# Altium PCB ZYNQ_JTY_16CH.PcbDoc (part 5 of 5)
Units mm, origin at the board's own origin, x right, y up, seen from the top; angles counter-clockwise.
Board outline 164 x 124.5 mm, 4 copper layers (Top1, GND2, PWR3, Bottom4), stack 0.568 mm thick; 525 components, 438 nets, 2202 pads, 1379 vias.
Unrouted connection lines stored in the file: 13.
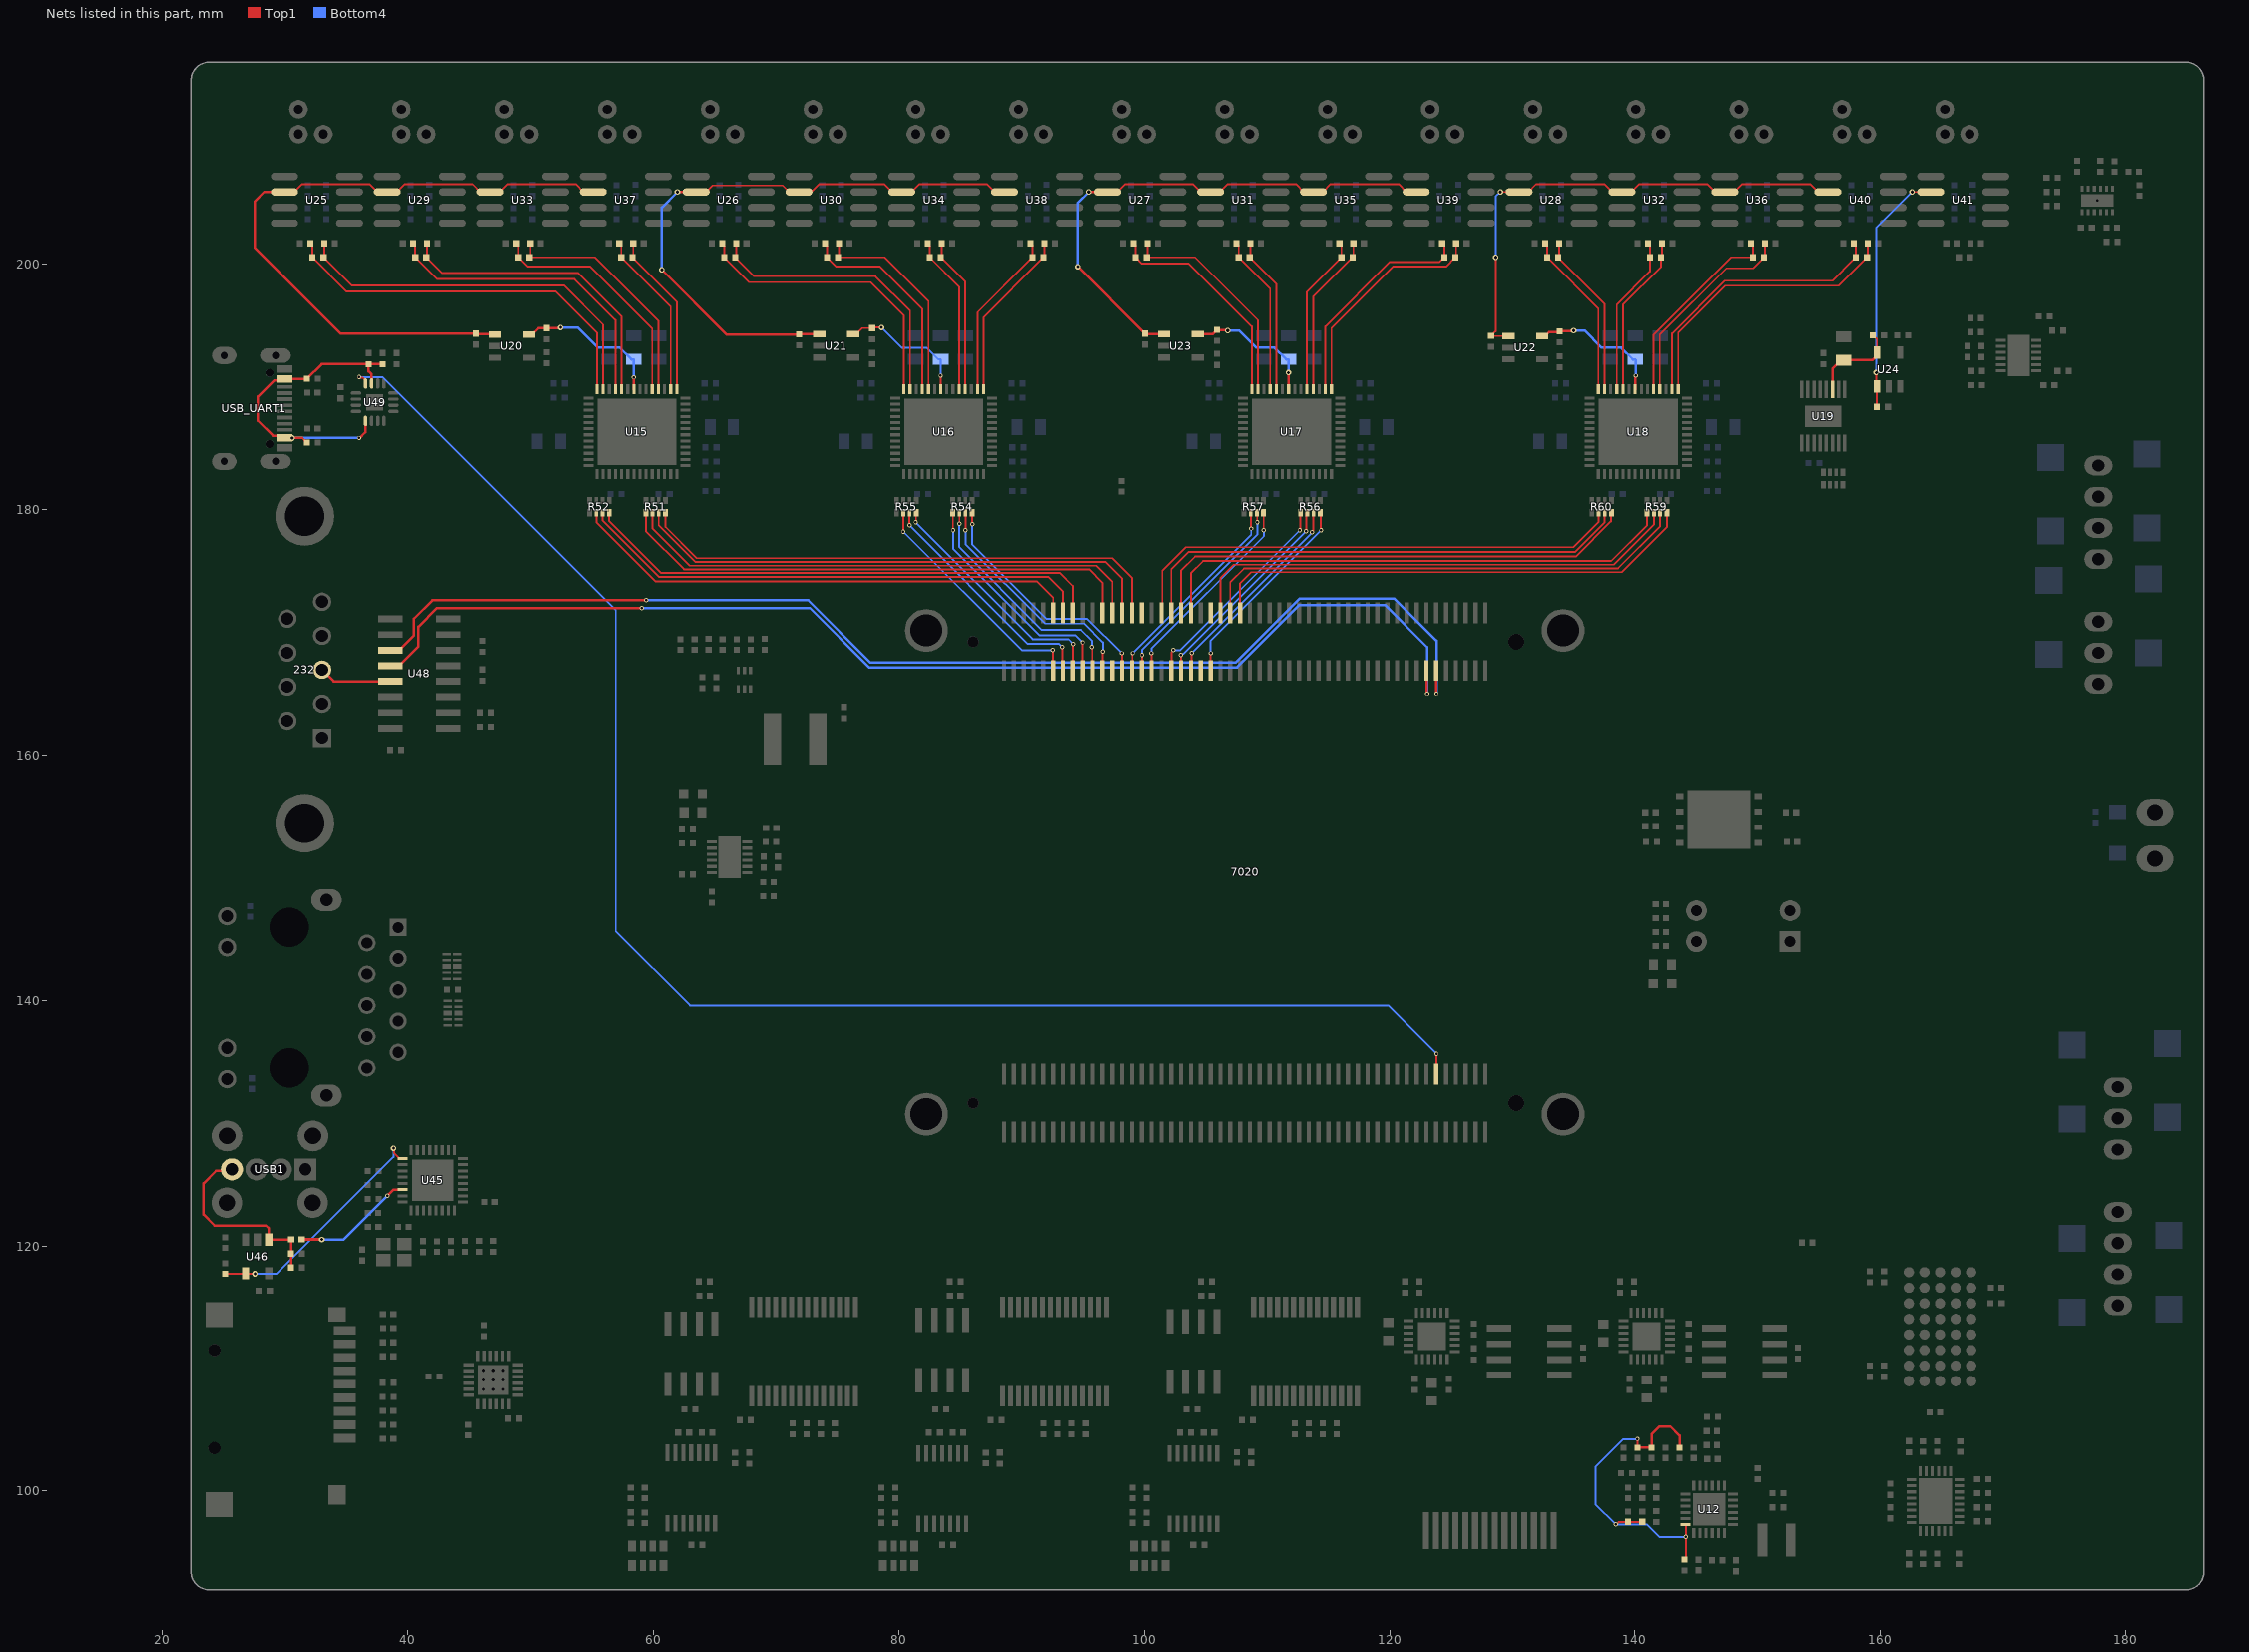
[diagram p7: the nets of this part, all layers, seen from the top]

## Via types
v1: diameter 0.457, hole 0.254, Top1 to Bottom4, tented both sides, 707 vias
v2: diameter 0.356, hole 0.203, Top1 to Bottom4, tented both sides, 314 vias
v3: diameter 0.559, hole 0.305, Top1 to Bottom4, tented both sides, 261 vias
v4: diameter 0.508, hole 0.279, Top1 to Bottom4, tented both sides, 40 vias
v5: diameter 0.66, hole 0.356, Top1 to Bottom4, tented both sides, 18 vias
v6: diameter 0.711, hole 0.381, Top1 to Bottom4, tented both sides, 14 vias
v7: diameter 0.61, hole 0.305, Top1 to Bottom4, tented both sides, 12 vias
v8: diameter 0.61, hole 0.254, Top1 to Bottom4, tented both sides, 9 vias
v9: diameter 0.508, hole 0.305, Top1 to Bottom4, tented both sides, 4 vias

## Nets (pads, with @x,y where several pads share a name; then routed paths per layer and width w, separated by ;. In a path a pad name is that pad's centre, name@x,y a point inside that pad or via, vN(x,y) a via of type N, cw(c..) or ccw(c..) an arc to the next point about the centre after c; other vN are vias at no path point) (continued)
TEC_REF: C41.2 R31.1 R36.1 R39.1 R43.2 R46.2 U12.6 | length 27.8
  Top1 w0.152: v2(138.43,97.282) 138.485,97.282 138.675,97.472 139.427,97.472 R43.2@139.446,97.492 R46.2@140.589,97.492 ; R39.1@140.208,103.549 v2(140.208,104.267) ; C41.2@144.018,94.427 144.145,94.554 v2(144.145,96.266) 144.145,97.214 U12.6@144.095,97.264
  Top1 w0.203: R39.1@140.208,103.549 R31.1@141.351,103.549 141.351,104.648 141.986,105.283 142.875,105.283 143.637,104.521 R36.1@143.637,103.549
  Bottom4 w0.152: v2(140.208,104.267) 140.183,104.242 139.04,104.242 136.779,101.981 136.779,98.933 v2(138.43,97.282) 140.97,97.282 141.986,96.266 v2(144.145,96.266)
TXD: 7020.J2_89 U49.4 | length 128.4
  Top1 w0.152: v2(36.068,190.763) 36.107,190.724 36.356,190.724 36.584,190.496 U49.4@36.584,190.246 ; 7020.J2_89@123.812,133.985 123.819,133.991 123.819,135.63 v2(123.825,135.636)
  Bottom4 w0.152: v2(36.068,190.763) 37.964,190.763 56.947,171.78 56.947,145.618 62.992,139.573 119.888,139.573 v2(123.825,135.636)
TXD_232: 232.3 U48.13 | length 6
  Top1 w0.203: 232.3@33.043,166.932 33.986,165.989 U48.13@38.608,165.989
UART2_RX: 7020.J1_88 U48.12 | length 98.6
  Top1 w0.203: U48.12@38.608,167.259 39.319,167.259 40.894,168.834 40.894,170.434 42.418,171.958 v2(59.055,171.958) ; 7020.J1_88@123.011,166.869 123.011,165.066 123.063,165.014 v2(123.063,164.973)
  Bottom4 w0.203: v2(59.055,171.958) 72.771,171.958 77.597,167.132 107.564,167.132 112.644,172.212 119.634,172.212 123.063,168.783 v2(123.063,164.973)
UART2_TX: 7020.J1_90 U48.11 | length 99.6
  Top1 w0.203: U48.11@38.608,168.529 39.319,168.529 40.538,169.748 40.538,171.094 42.037,172.593 v2(59.436,172.593) ; 7020.J1_90@123.811,166.869 123.818,166.862 123.818,164.98 v2(123.825,164.973)
  Bottom4 w0.203: v2(59.436,172.593) 72.644,172.593 77.724,167.513 107.442,167.513 112.649,172.72 120.396,172.72 123.825,169.291 v2(123.825,164.973)
USB_5V: C240.2 C241.2 R144.1 U46.1 USB1.4 | length 16.1
  Top1 w0.203: USB1.4@25.686,126.238 25.559,126.111 24.384,126.111 23.368,125.095 23.368,122.555 24.257,121.666 28.448,121.666 28.702,121.412 U46.1@28.702,120.523 R144.1@30.519,120.523 30.505,120.509 30.505,118.251 C241.2@30.491,118.237
USB_VBUS: R144.2 U45.22 | length 9.9
  Top1 w0.203: v2(38.354,124.079) 38.862,124.587 U45.22@39.624,124.587
  Top1 w0.254: R144.2@31.369,120.523 v1(33.02,120.523)
  Bottom4 w0.203: v1(33.02,120.523) 34.798,120.523 v2(38.354,124.079)
VREF1V65_9: C126.2 U24.1 U41.2 | length 20.3
  Top1 w0.152: v1(159.639,191.135) 159.639,190.077 U24.1@159.705,190.011 159.697,190.003 C126.2@159.697,188.341 ; v1(162.56,205.867) U41.2@164.084,205.867
  Bottom4 w0.152: v1(159.639,191.135) 159.639,202.946 161.544,204.851 v1(162.56,205.867)
VREF1V65_W: C122.2 U22.1 U28.2 U32.2 U36.2 U40.2 | length 41.7
  Top1 w0.152: v1(128.651,200.533) 128.651,194.506 C122.2@128.27,194.125 128.278,194.117 U22.1@129.686,194.117 ; v1(129.032,205.867) U28.2@130.556,205.867 131.318,205.867 131.953,206.502 137.503,206.502 138.138,205.867 U32.2@138.938,205.867 139.7,205.867 140.335,206.502 145.885,206.502 146.52,205.867 U36.2@147.32,205.867 148.082,205.867 148.717,206.502 154.267,206.502 154.902,205.867 U40.2@155.702,205.867
  Bottom4 w0.152: v1(128.651,200.533) 128.651,205.486 v1(129.032,205.867)
VREF1V65_X: C95.2 U20.1 U25.2 U29.2 U33.2 U37.2 | length 55.8
  Top1 w0.152: U25.2@29.972,205.867 30.772,205.867 31.407,206.502 36.919,206.502 37.554,205.867 U29.2@38.354,205.867 39.154,205.867 39.789,206.502 45.301,206.502 45.936,205.867 U33.2@46.736,205.867 47.536,205.867 48.171,206.502 53.683,206.502 54.318,205.867 U37.2@55.118,205.867
  Top1 w0.203: U25.2@29.972,205.867 28.321,205.867 27.559,205.105 27.559,201.295 34.533,194.321 C95.2@45.593,194.321 45.631,194.282 47.098,194.282 U20.1@47.136,194.244
VREF1V65_Y: C117.2 U21.1 U26.2 U30.2 U34.2 U38.2 | length 50.1
  Top1 w0.152: U26.2@63.5,205.867 64.3,205.867 64.829,206.396 70.553,206.396 71.082,205.867 U30.2@71.882,205.867 71.968,205.953 72.984,205.953 73.533,206.502 78.829,206.502 79.464,205.867 U34.2@80.264,205.867 81.064,205.867 81.699,206.502 87.211,206.502 87.846,205.867 U38.2@88.646,205.867
  Top1 w0.203: v1(60.706,199.517) 65.971,194.252 C117.2@71.882,194.252 71.891,194.261 73.543,194.261 U21.1@73.552,194.269 ; v1(61.976,205.867) U26.2@63.5,205.867
  Bottom4 w0.203: v1(60.706,199.517) 60.706,204.597 v1(61.976,205.867)
VREF1V65_Z: C119.2 U23.1 U27.2 U31.2 U35.2 U39.2 | length 44
  Top1 w0.152: U27.2@97.028,205.867 97.828,205.867 98.463,206.502 103.975,206.502 104.61,205.867 U31.2@105.41,205.867 106.172,205.867 106.807,206.502 112.357,206.502 112.992,205.867 U35.2@113.792,205.867 114.554,205.867 115.189,206.502 120.739,206.502 121.374,205.867 U39.2@122.174,205.867
  Top1 w0.203: v1(94.615,199.771) 99.917,194.469 99.928,194.469 C119.2@100.076,194.321 ; v1(95.504,205.867) U27.2@97.028,205.867 ; C119.2@100.102,194.295 101.593,194.295 U23.1@101.619,194.269
  Bottom4 w0.203: v1(94.615,199.771) 94.615,204.978 v1(95.504,205.867)
VREF3V3_9: C57.1 C125.2 U19.3 U24.5 | length 7.6
  Top1 w0.152: C125.2@159.374,194.183 159.705,193.852 U24.5@159.705,192.767
  Top1 w0.203: U19.3@156.071,189.763 156.071,191.441 156.781,192.151 C57.1@156.972,192.151 159.337,192.151 159.705,192.519 U24.5@159.705,192.767
VREF3V3_W: C121.2 C129.2 U18.8 U22.5 | length 11.2
  Top1 w0.203: U22.5@132.442,194.117 132.69,194.117 133.01,194.437 133.789,194.437 C121.2@133.858,194.506 134.902,194.506 134.96,194.564 v1(135.001,194.564) ; U18.8@140.019,189.763 140.019,190.778 140.081,190.84 v2(140.081,190.881)
  Bottom4 w0.203: v1(135.001,194.564) 135.89,194.564 137.287,193.167 138.875,193.167 139.825,192.217 C129.2@140.015,192.217 140.081,192.151 v2(140.081,190.881)
VREF3V3_X: C56.2 C94.2 U15.8 U20.5 | length 12.3
  Top1 w0.203: U20.5@49.892,194.244 50.14,194.244 50.656,194.76 C94.2@51.308,194.76 52.352,194.76 52.41,194.818 v1(52.451,194.818) ; v2(58.42,190.754) 58.422,190.752 58.422,189.765 U15.8@58.424,189.763
  Bottom4 w0.203: v1(52.451,194.818) 53.848,194.818 55.499,193.167 57.28,193.167 58.23,192.217 C56.2@58.42,192.217 v2(58.42,190.754)
VREF3V3_Y: C64.2 C116.2 U16.8 U21.5 | length 10.9
  Top1 w0.152: U21.5@76.308,194.269 76.556,194.269 77.046,194.76 C116.2@77.851,194.76 77.909,194.818 v1(78.613,194.818) ; v2(83.439,190.881) 83.441,190.879 83.441,189.765 U16.8@83.443,189.763
  Bottom4 w0.152: v1(78.613,194.818) 80.264,193.167 82.299,193.167 83.249,192.217 C64.2@83.439,192.217 v2(83.439,190.881)
VREF3V3_Z: C93.2 C118.2 U17.8 U23.5 | length 11
  Top1 w0.203: U23.5@104.375,194.269 105.554,194.269 C118.2@105.918,194.633 105.952,194.598 106.773,194.598 v1(106.807,194.564) ; v1(111.76,191.135) 111.762,191.133 111.762,189.765 U17.8@111.764,189.763
  Bottom4 w0.203: v1(106.807,194.564) 107.73,194.564 109.127,193.167 110.62,193.167 111.57,192.217 C93.2@111.76,192.217 v1(111.76,191.135)
VUSB: C243.1 C244.1 C255.1 C256.1 U49.3 U49.9 USB_UART1.2 USB_UART1.11 | length 26.8
  Top1 w0.203: v1(30.607,185.801) USB_UART1.11@30.594,185.814 ; C256.1@31.808,185.42 31.414,185.814 USB_UART1.11@30.594,185.814 ; v2(36.068,185.801) 36.109,185.801 36.58,186.272 36.58,187.19 U49.9@36.584,187.194 ; U49.3@37.084,190.246 37.084,190.989 36.83,191.243 C244.1@36.83,191.828 ; C243.1@37.973,191.828 C244.1@36.83,191.828 ; USB_UART1.11@30.594,185.814 USB_UART1.11@29.98,185.814 29.809,185.985 29.026,185.985 27.813,187.198 27.813,189.18 29.145,190.512 29.878,190.512 29.987,190.621 31.801,190.621 C255.1@31.808,190.627 33.009,191.828 C244.1@36.83,191.828
  Bottom4 w0.203: v1(30.607,185.801) v2(36.068,185.801)
VUSB_V_EN: R146.1 U45.17 U46.4 | length 19.7
  Top1 w0.152: R146.1@25.146,117.729 26.758,117.729 U46.4@26.802,117.773 26.846,117.729 v1(27.559,117.729) ; v1(38.862,127.964) 38.92,127.905 38.92,127.551 39.345,127.127 U45.17@39.624,127.127
  Bottom4 w0.152: v1(27.559,117.729) 29.337,117.729 38.862,127.254 v1(38.862,127.964)
W1+: C137.2 R68.2 U18.14 | length 13.7
  Top1 w0.152: R68.2@132.676,201.676 132.842,201.51 C137.2@132.842,200.533 133.016,200.359 137.019,196.356 U18.14@137.019,189.763
W1-: C137.1 R72.2 U18.13 | length 13.5
  Top1 w0.152: R72.2@133.814,201.676 133.814,200.605 C137.1@133.742,200.533 137.519,196.756 U18.13@137.519,189.763
W2+: C153.2 R80.2 U18.11 | length 13.1
  Top1 w0.152: U18.11@138.519,189.763 138.519,196.685 141.224,199.39 C153.2@141.224,200.533 141.224,201.51 R80.2@141.058,201.676
W2-: C153.1 R84.2 U18.10 | length 13.2
  Top1 w0.152: U18.10@139.019,189.763 139.019,196.677 142.124,199.782 C153.1@142.124,200.533 142.196,200.605 R84.2@142.196,201.676
W3+: C169.2 R92.2 U18.5 | length 16.4
  Top1 w0.152: U18.5@141.519,189.763 141.519,194.224 147.828,200.533 C169.2@149.606,200.533 149.606,201.51 R92.2@149.44,201.676
W3-: C169.1 R96.2 U18.4 | length 16.7
  Top1 w0.152: U18.4@142.019,189.763 142.019,194.216 147.447,199.644 149.617,199.644 C169.1@150.506,200.533 150.578,200.605 R96.2@150.578,201.676
W4+: C185.2 R104.2 U18.2 | length 23.3
  Top1 w0.152: U18.2@143.019,189.763 143.019,194.327 147.32,198.628 156.083,198.628 157.814,200.359 C185.2@157.988,200.533 157.988,201.51 R104.2@157.822,201.676
W4-: C185.1 R108.2 U18.1 | length 23.7
  Top1 w0.152: U18.1@143.519,189.763 143.519,194.396 147.345,198.222 156.577,198.222 C185.1@158.888,200.533 158.96,200.605 R108.2@158.96,201.676
W_CLKOUT: 7020.J1_39 R59.5 | length 43
  Top1 w0.152: 7020.J1_39@103.81,171.569 103.81,174.803 104.8,175.793 138.074,175.793 140.993,178.712 R59.5@140.993,179.713
W_CLKOUTEN: 7020.J1_43
W_CNV: 7020.J1_33 R60.6 | length 41.4
  Top1 w0.152: 7020.J1_33@101.41,171.569 101.473,171.632 101.473,175.006 103.378,176.911 135.001,176.911 137.033,178.943 137.033,179.709 R60.6@137.037,179.713
W_SCK: 7020.J1_49 R59.8 | length 40.3
  Top1 w0.152: 7020.J1_49@107.81,171.569 107.81,173.977 108.712,174.879 138.938,174.879 142.593,178.534 R59.8@142.593,179.713
W_SDO1: 7020.J1_35 R60.7 | length 41.2
  Top1 w0.152: 7020.J1_35@102.21,171.569 102.21,175.108 103.632,176.53 135.128,176.53 137.537,178.939 R60.7@137.537,179.713
W_SDO2: 7020.J1_37 R60.8 | length 40.7
  Top1 w0.152: 7020.J1_37@103.01,171.569 102.997,171.582 102.997,175.006 104.14,176.149 135.178,176.149 138.049,179.02 R60.8@138.049,179.577
W_SDO3: 7020.J1_45 R59.6 | length 40.9
  Top1 w0.152: 7020.J1_45@106.21,171.569 106.21,174.409 107.29,175.489 138.278,175.489 141.543,178.754 R59.6@141.543,179.713
W_SDO4: 7020.J1_47 R59.7 | length 40.5
  Top1 w0.152: 7020.J1_47@107.01,171.569 107.01,174.066 108.128,175.184 138.608,175.184 142.043,178.619 R59.7@142.043,179.713
X1+: C134.2 R65.2 U15.14 | length 31.5
  Top1 w0.152: R65.2@32.092,201.676 32.258,201.51 C134.2@32.258,200.533 35.052,197.739 52.07,197.739 55.424,194.385 U15.14@55.424,189.763
X1-: C134.1 R69.2 U15.13 | length 31.5
  Top1 w0.152: R69.2@33.23,201.676 33.23,200.605 C134.1@33.158,200.533 35.444,198.247 52.705,198.247 55.924,195.028 U15.13@55.924,189.763
X2+: C150.2 R77.2 U15.11 | length 25.3
  Top1 w0.152: R77.2@40.474,201.676 40.64,201.51 C150.2@40.64,200.533 42.418,198.755 53.594,198.755 56.924,195.425 U15.11@56.924,189.763
X2-: C150.1 R81.2 U15.10 | length 24.9
  Top1 w0.152: C150.1@41.54,200.533 42.81,199.263 53.848,199.263 57.424,195.687 U15.10@57.424,189.763 ; C150.1@41.612,200.605 R81.2@41.612,201.676
X3+: C166.2 R89.2 U15.5 | length 19.5
  Top1 w0.152: R89.2@48.856,201.676 49.022,201.51 C166.2@49.022,200.533 49.784,199.771 54.864,199.771 59.924,194.711 U15.5@59.924,189.763
X3-: C166.1 R93.2 U15.4 | length 19.3
  Top1 w0.152: C166.1@49.922,200.533 55.245,200.533 60.424,195.354 U15.4@60.424,189.763 ; C166.1@49.994,200.605 R93.2@49.994,201.676
X4+: C182.2 R101.2 U15.2 | length 13.6
  Top1 w0.152: R101.2@57.238,201.676 57.404,201.51 C182.2@57.404,200.533 61.424,196.513 U15.2@61.424,189.763
X4-: C182.1 R105.2 U15.1 | length 13.4
  Top1 w0.152: R105.2@58.376,201.676 58.376,200.605 C182.1@58.304,200.533 61.924,196.913 U15.1@61.924,189.763
X_CLKOUT: 7020.J1_21 R51.5 | length 42.9
  Top1 w0.152: R51.5@59.398,179.713 59.398,178.219 62.509,175.108 95.529,175.108 96.61,174.027 7020.J1_21@96.61,171.569
X_CLKOUTEN: 7020.J1_29
X_CNV: 7020.J1_11 R52.6 | length 41.8
  Top1 w0.152: R52.6@55.376,179.713 55.372,179.709 55.372,178.943 60.198,174.117 91.313,174.117 92.61,172.82 7020.J1_11@92.61,171.569
X_SCK: 7020.J1_27 R51.8 | length 43.7
  Top1 w0.152: R51.8@60.998,179.713 60.998,178.574 63.55,176.022 97.409,176.022 99.01,174.421 7020.J1_27@99.01,171.569
X_SDO1: 7020.J1_13 R52.7 | length 42.3
  Top1 w0.152: R52.7@55.876,179.713 55.88,179.709 55.88,179.07 60.452,174.498 92.202,174.498 93.41,173.29 7020.J1_13@93.41,171.569
X_SDO2: 7020.J1_15 R52.8 | length 42.9
  Top1 w0.152: R52.8@56.426,179.713 56.388,179.675 56.388,179.07 60.655,174.803 93.167,174.803 94.21,173.76 7020.J1_15@94.21,171.569
X_SDO3: 7020.J1_23 R51.6 | length 43.1
  Top1 w0.152: R51.6@59.948,179.713 59.948,178.431 62.967,175.412 96.114,175.412 97.41,174.116 7020.J1_23@97.41,171.569
X_SDO4: 7020.J1_25 R51.7 | length 43.4
  Top1 w0.152: R51.7@60.448,179.713 60.448,178.693 63.424,175.717 96.825,175.717 98.21,174.332 7020.J1_25@98.21,171.569
Y1+: C135.2 R66.2 U16.14 | length 23.9
  Top1 w0.152: R66.2@65.62,201.676 65.786,201.51 C135.2@65.786,200.533 67.818,198.501 77.724,198.501 80.443,195.782 U16.14@80.443,189.763
Y1-: C135.1 R70.2 U16.13 | length 23.5
  Top1 w0.152: C135.1@66.686,200.533 68.21,199.009 78.105,199.009 80.943,196.171 U16.13@80.943,189.763 ; C135.1@66.758,200.605 R70.2@66.758,201.676
Y2+: C151.2 R78.2 U16.11 | length 17.3
  Top1 w0.152: R78.2@74.002,201.676 74.168,201.51 C151.2@74.168,200.533 74.93,199.771 78.486,199.771 81.943,196.314 U16.11@81.943,189.763
Y2-: C151.1 R82.2 U16.10 | length 17.1
  Top1 w0.152: C151.1@75.068,200.533 75.14,200.533 78.867,200.533 82.443,196.957 U16.10@82.443,189.763 ; C151.1@75.14,200.605 R82.2@75.14,201.676
Y3+: C167.2 R90.2 U16.5 | length 13
  Top1 w0.152: R90.2@82.384,201.676 82.55,201.51 C167.2@82.55,200.533 84.943,198.14 U16.5@84.943,189.763
Y3-: C167.1 R94.2 U16.4 | length 12.7
  Top1 w0.152: C167.1@83.45,200.533 85.443,198.54 U16.4@85.443,189.763 ; C167.1@83.522,200.605 R94.2@83.522,201.676
Y4+: C183.2 R102.2 U16.2 | length 13.8
  Top1 w0.152: U16.2@86.443,189.763 86.443,196.044 90.758,200.359 C183.2@90.932,200.533 90.932,201.51 R102.2@90.766,201.676
Y4-: C183.1 R106.2 U16.1 | length 14
  Top1 w0.152: U16.1@86.943,189.763 86.943,195.655 91.647,200.359 91.658,200.359 C183.1@91.832,200.533 91.904,200.605 R106.2@91.904,201.676
Y_CLKOUT: 7020.J1_18 R54.5 | length 18.9
  Top1 w0.152: R54.5@84.417,179.713 84.436,179.694 84.436,178.327 v2(84.455,178.308) ; v2(94.996,169.164) 95.003,169.157 95.003,166.876 7020.J1_18@95.01,166.869
  Bottom4 w0.152: v2(84.455,178.308) 84.455,176.784 91.516,169.723 94.437,169.723 v2(94.996,169.164)
Y_CLKOUTEN: 7020.J1_24
Y_CNV: 7020.J1_12 R55.6 | length 19.4
  Top1 w0.152: R55.6@80.395,179.713 80.394,179.712 v2(80.393,178.183) ; v2(92.583,168.529) 92.597,168.515 92.597,166.883 7020.J1_12@92.61,166.869 ; v2(80.393,178.183) v2(80.393,178.183)
  Bottom4 w0.152: v2(80.393,178.183) 90.047,168.529 v2(92.583,168.529)
Y_SCK: 7020.J1_26 R54.8 | length 19.8
  Top1 w0.152: v2(86.018,178.792) R54.8@86.017,179.713 ; v2(98.171,168.275) 98.191,168.255 98.191,166.889 7020.J1_26@98.21,166.869
  Bottom4 w0.152: v2(86.018,178.792) 86.018,177.126 92.075,171.069 95.377,171.069 v2(98.171,168.275)
Y_SDO1: 7020.J1_14 R55.7 | length 19.5
  Top1 w0.152: v2(80.895,178.693) R55.7@80.895,179.713 ; v2(93.345,168.783) 93.378,168.75 93.378,166.902 7020.J1_14@93.41,166.869
  Bottom4 w0.152: v2(80.895,178.693) 90.551,169.037 93.091,169.037 v2(93.345,168.783)
Y_SDO2: 7020.J1_16 R55.8 | length 19.9
  Top1 w0.152: v2(81.407,178.943) 81.426,178.962 81.426,179.694 R55.8@81.445,179.713 ; 7020.J1_16@94.21,166.869 94.222,166.881 94.222,169.025 v2(94.234,169.037)
  Bottom4 w0.152: v2(81.407,178.943) 90.932,169.418 93.853,169.418 v2(94.234,169.037)
Y_SDO3: 7020.J1_20 R54.6 | length 19.2
  Top1 w0.152: v2(84.963,178.816) 84.965,178.818 84.965,179.711 R54.6@84.967,179.713 ; v2(95.758,168.783) 95.784,168.757 95.784,166.895 7020.J1_20@95.81,166.869
  Bottom4 w0.152: v2(84.963,178.816) 84.963,176.911 91.694,170.18 94.869,170.18 95.758,169.291 v2(95.758,168.783)
Y_SDO4: 7020.J1_22 R54.7 | length 19.3
  Top1 w0.152: R54.7@85.467,179.713 85.469,179.711 85.469,178.31 v2(85.471,178.308) ; 7020.J1_22@96.61,166.869 96.629,166.888 96.629,168.384 v2(96.647,168.402)
  Bottom4 w0.152: v2(85.471,178.308) 85.471,177.165 91.948,170.688 95.123,170.688 96.647,169.164 v2(96.647,168.402)
Z1+: C136.2 R67.2 U17.14 | length 18.1
  Top1 w0.152: R67.2@99.148,201.676 99.314,201.51 C136.2@99.314,200.533 99.822,200.025 103.632,200.025 108.764,194.893 U17.14@108.764,189.763
Z1-: C136.1 R71.2 U17.13 | length 17.9
  Top1 w0.152: R71.2@100.286,201.676 100.286,200.533 104.14,200.533 109.264,195.409 U17.13@109.264,189.763
Z2+: C152.2 R79.2 U17.11 | length 13
  Top1 w0.152: R79.2@107.53,201.676 107.696,201.51 C152.2@107.696,200.533 110.264,197.965 U17.11@110.264,189.763
Z2-: C152.1 R83.2 U17.10 | length 12.8
  Top1 w0.152: R83.2@108.668,201.676 108.668,200.605 C152.1@108.596,200.533 108.77,200.359 110.764,198.365 U17.10@110.764,189.763
Z3+: C168.2 R91.2 U17.5 | length 13.1
  Top1 w0.152: U17.5@113.264,189.763 113.264,197.719 C168.2@116.078,200.533 116.078,201.51 R91.2@115.912,201.676
Z3-: C168.1 R95.2 U17.4 | length 13.3
  Top1 w0.152: U17.4@113.764,189.763 113.764,197.319 C168.1@116.978,200.533 117.05,200.605 R95.2@117.05,201.676
Z4+: C184.2 R103.2 U17.2 | length 18.4
  Top1 w0.152: U17.2@114.764,189.763 114.764,194.901 120.015,200.152 124.079,200.152 C184.2@124.46,200.533 124.46,201.51 R103.2@124.294,201.676
Z4-: C184.1 R107.2 U17.1 | length 18.7
  Top1 w0.152: U17.1@115.264,189.763 115.264,194.766 120.269,199.771 124.598,199.771 C184.1@125.36,200.533 125.432,200.605 R107.2@125.432,201.676
Z_CLKOUT: 7020.J1_36 R56.5 | length 17.5
  Top1 w0.152: 7020.J1_36@102.21,166.869 102.223,166.882 102.223,168.335 102.362,168.474 v2(102.362,168.529) ; v2(112.676,178.281) 112.709,178.314 112.709,179.684 R56.5@112.738,179.713
  Bottom4 w0.152: v2(102.362,168.529) 102.93,168.529 112.676,178.275 v2(112.676,178.281)
Z_CLKOUTEN: 7020.J1_42
Z_CNV: 7020.J1_28 R57.6 | length 16.9
  Top1 w0.152: 7020.J1_28@99.01,166.869 99.035,166.894 99.035,168.25 v2(99.06,168.275) ; R57.6@108.678,179.705 108.695,179.688 108.695,178.452 v2(108.712,178.435)
  Bottom4 w0.152: v2(99.06,168.275) 108.712,177.927 v2(108.712,178.435)
Z_SCK: 7020.J1_44 R56.8 | length 16.6
  Top1 w0.152: 7020.J1_44@105.41,166.869 v2(105.41,168.275) ; R56.8@114.338,179.713 114.388,179.663 114.388,178.347 v2(114.427,178.308)
  Bottom4 w0.152: v2(105.41,168.275) 105.41,169.291 v2(114.427,178.308)
Z_SDO1: 7020.J1_30 R57.7 | length 16.8
  Top1 w0.152: 7020.J1_30@99.81,166.869 99.818,166.877 99.818,168.121 v2(99.826,168.129) ; R57.7@109.178,179.705 109.199,179.684 109.199,178.964 v2(109.22,178.943)
  Bottom4 w0.152: v2(99.826,168.129) 99.828,168.131 99.828,168.535 109.22,177.927 v2(109.22,178.943)
Z_SDO2: 7020.J1_32 R57.8 | length 16.7
  Top1 w0.152: v2(100.584,168.275) 100.597,168.262 100.597,166.882 7020.J1_32@100.61,166.869 ; v2(109.728,178.308) R57.8@109.728,179.705
  Bottom4 w0.152: v2(100.584,168.275) 100.609,168.3 100.609,168.681 109.753,177.825 109.753,178.283 v2(109.728,178.308)
Z_SDO3: 7020.J1_38 R56.6 | length 17.2
  Top1 w0.152: v2(102.997,168.123) 103.003,168.116 103.003,166.876 7020.J1_38@103.01,166.869 ; v2(113.183,178.214) 113.222,178.252 113.222,179.647 R56.6@113.288,179.713
  Bottom4 w0.152: v2(102.997,168.123) 103.052,168.123 103.139,168.21 103.18,168.21 v2(113.183,178.214)
Z_SDO4: 7020.J1_40 R56.7 | length 17
  Top1 w0.152: 7020.J1_40@103.81,166.869 103.845,166.905 103.845,168.245 v2(103.881,168.28) ; v2(113.69,178.146) 113.69,178.201 113.792,178.303 113.792,179.709 R56.7@113.788,179.713
  Bottom4 w0.152: v2(103.881,168.28) 113.651,178.05 113.651,178.107 v2(113.69,178.146)
pads on no net: 232.1 232.4 232.6 232.7 232.8 232.9 232.M1 232.M2 7020. 7020.0 7020.J1_9 7020.J1_10 7020.J1_17 7020.J1_31 7020.J1_51 7020.J1_53 7020.J1_54 7020.J1_55 7020.J1_56 7020.J1_57 7020.J1_58 7020.J1_60 7020.J1_62 7020.J1_64 7020.J1_66 7020.J1_68 7020.J1_72 7020.J1_75 7020.J1_81 7020.J1_82 7020.J1_83 7020.J1_84 7020.J1_85 7020.J1_87 7020.J1_89 7020.J1_91 7020.J1_92 7020.J2_83 7020.J2_85 7020.J2_92 7020.J2_93 7020.J2_94 7020.J2_95 7020.J2_97 7020.J2_98 7020.J2_99 7020.J2_100 GE_PS1.17 GE_PS1.18 R52.4 R52.5 R53.4 R53.5 R55.4 R55.5 R57.4 R57.5 R60.4 R60.5 S7500.4 S7500.6 S7500.7 S7500.8 U3.1 U3.3 U3.5 U3.7 U3.8 U5.1 U5.3 U5.5 U5.7 U5.8 U8.1 U8.3 U8.5 U8.7 U8.8 U10.6 U10.13 U10.17 U11.1 U11.3 U11.5 U11.7 U11.8 U12.9 U12.11 U12.20 U13.6 U13.13 U13.17 U14.1 U14.3 U14.5 U14.7 U14.8 U15.16 U15.17 U15.19 U15.20 U15.28 U15.30 U15.36 U15.40 U15.42 U15.47 U15.48 U15.50 U15.51 U16.16 U16.17 U16.19 U16.20 U16.28 U16.30 U16.36 U16.40 U16.42 U16.47 U16.48 U16.50 U16.51 U17.16 U17.17 U17.19 U17.20 U17.28 U17.30 U17.36 U17.40 U17.42 U17.47 U17.48 U17.50 U17.51 U18.16 U18.17 U18.19 U18.20 U18.28 U18.30 U18.36 U18.40 U18.42 U18.47 U18.48 U18.50 U18.51 U19.13 U19.15 U45.12 U45.15 U45.16 U48.7 U48.8 U48.9 U48.10 U49.10 U49.11 U49.12 U49.13 U49.14 U49.15 U49.16 U50.8 U50.10 U50.12 U50.13 U50.14 U50.15 USB1.G USB_UART1. USB_UART1.3 USB_UART1.9 V1.3 V1.5 V3.3 V3.5

## Polygon pours and split planes (outlines as drawn)
+3V3 on Top1 "+3V3_L01_P045" (solid, pour order 45): 65.151,152.654 65.151,151.638 57.912,151.638 57.912,152.4 62.865,152.4 62.865,153.416 64.046,153.416 64.143,153.513 64.168,153.489 64.168,152.718 64.232,152.654
+D9 on Top1 "+D9_L01_P044" (solid, remove dead copper, pour order 44): 67.31,152.654 68.232,152.654 68.282,152.603 68.282,151.058 76.701,151.058 76.736,151.022 76.736,150.476 68.574,150.476 68.427,150.622 67.31,150.622
AGND2 on Top1 "AGND2_L01_P050" (solid, remove dead copper, pour order 50): 55.753,117.729 55.753,92.214 186.297,92.214 186.309,92.202 186.309,124.333 154.051,124.333 154.051,117.729
GND on Top1 "GND_L01_P049" (solid, remove dead copper, pour order 49): 43.307,196.596 43.307,181.991 154.051,181.991 159.639,176.403 186.309,176.403 186.309,124.333 154.051,124.333 154.051,117.729 55.753,117.729 55.753,91.821 22.479,91.821 22.352,91.948 22.352,196.596
AGND1 on Top1 "AGND1_L01_P043" (solid, remove dead copper, pour order 43): 43.307,196.596 43.307,181.991 154.051,181.991 159.639,176.403 186.309,176.403 186.309,216.535 22.352,216.535 22.352,196.596
+1.8V on Top1 "+1.8V_L01_P042" (solid, pour order 42): 65.278,151.13 62.738,151.13 62.738,147.193 65.532,147.193 65.532,148.336 64.135,148.336 64.135,150.622 65.278,150.622
+5V_S7500 on Top1 "+5V_S7500_L01_P037" (solid, pour order 37): 147.574,98.933 149.352,98.933 149.352,100.076 151.511,100.076 151.511,97.934 147.562,97.934 147.562,98.794 147.574,98.806
+D9 on Top1 "+D9_L01_P035" (solid, pour order 35): 61.595,165.862 67.183,165.862 67.183,160.655 61.595,160.655
-5V_S7500 on Top1 "-5V_S7500_L01_P034" (solid, pour order 34): 158.496,108.331 158.559,108.394 164.338,108.394 164.338,105.791 158.496,105.791
+3V3_S7500 on Top1 "+3V3_S7500_L01_P030" (solid, pour order 30): 160.02,98.298 163.068,98.298 163.068,97.282 161.925,97.282 161.925,94.488 163.957,94.488 163.957,93.472 160.02,93.472
+5V_S7500 on Top1 "+5V_S7500_L01_P029" (solid, pour order 29): 163.957,103.632 163.957,104.648 159.131,104.648 159.131,100.203 160.274,100.203 162.941,100.203 162.941,101.219 161.671,101.219 161.671,103.632
+A9_S7500 on Top1 "+A9_S7500_L01_P028" (solid, pour order 28): 167.132,101.092 167.132,103.632 165.989,103.632 165.989,104.648 168.275,104.648 168.275,101.092
+A9_S7500 on Top1 "+A9_S7500_L01_P027" (solid, pour order 27): 165.989,94.488 167.259,94.488 167.259,97.79 168.275,97.79 168.275,93.472 165.989,93.472
+A9_S7500 on Top1 "+A9_S7500_L01_P026" (solid, pour order 26): 165.989,100.584 167.132,100.584 167.132,101.6 168.275,101.6 168.275,97.028 167.259,97.028 167.259,97.79 165.989,97.79 165.989,98.679 166.878,98.679 166.878,99.695 165.989,99.695
+A9_S7500 on Top1 "+A9_S7500_L01_P025" (solid, pour order 25): 158.623,117.475 161.417,117.475 161.417,115.951 165.481,115.951 165.481,117.221 164.338,117.221 164.338,122.682 158.623,122.682
NetL3_2 on Top1 "NETL3_2_L01_P024" (solid, pour order 24): 151.511,98.044 151.511,94.361 149.479,94.361 149.479,97.409 147.447,97.409 147.447,98.044
-5V_S7500 on Top1 "-5V_S7500_L01_P023" (solid, pour order 23): 158.75,110.998 164.338,110.998 164.338,105.791 161.29,105.791 161.29,109.601 158.877,109.601 158.75,109.728
NetR45_1 on Top1 "NETR45_1_L01_P021" (solid, pour order 21): 140.462,111.252 141.478,111.252 141.478,108.331 140.462,108.331
NetR33_1 on Top1 "NETR33_1_L01_P020" (solid, pour order 20): 122.936,111.252 123.952,111.252 123.952,108.331 122.936,108.331
NetR15_2 on Top1 "NETR15_2_L01_P019" (solid, pour order 19): 99.822,97.79 101.473,97.79 101.473,98.171 102.362,98.171 102.362,94.869 98.679,94.869 98.679,96.52 99.822,96.52
NetR6_2 on Top1 "NETR6_2_L01_P018" (solid, remove dead copper, pour order 18): 81.28,98.044 81.28,97.79 79.248,97.79 79.248,96.266 77.978,96.266 77.978,94.869 81.788,94.869 81.788,98.044
NetR23_2 on Top1 "NETR23_2_L01_P017" (solid, remove dead copper, pour order 17): 61.341,98.171 60.452,98.171 60.452,97.79 58.674,97.79 58.674,96.901 57.531,96.901 57.531,94.869 61.341,94.869
+D2V5_PD on Top1 "+D2V5_PD_L01_P016" (solid, pour order 16): 172.339,193.04 174.371,193.04 174.371,195.072 175.895,195.072 175.895,196.342 173.355,196.342 173.355,193.548 172.339,193.548
+A3V3_PD on Top1 "+A3V3_PD_L01_P014" (solid, pour order 14): 172.212,192.532 175.006,192.532 175.006,188.214 172.72,188.214 172.72,189.484 173.863,189.484 173.863,191.516 172.212,191.516
+A5_PD on Top1 "+A5_PD_L01_P012" (solid, pour order 12): 170.307,193.802 170.307,191.516 168.91,191.516 168.91,192.913 163.957,192.913 163.957,193.802
+A4_PD on Top1 "+A4_PD_L01_P007" (solid, remove dead copper, pour order 7): 178.816,204.597 178.816,200.025 173.863,200.025 173.863,202.565 178.054,202.565 178.054,204.597
+A5_PD on Top1 "+A5_PD_L01_P006" (solid, pour order 6): 178.181,205.867 178.181,207.01 178.435,207.01 178.435,208.026 177.419,208.026 177.419,210.566 176.53,210.566 176.53,207.264 177.165,206.629 177.165,205.867
-A4_PD on Top1 "-A4_PD_L01_P005" (solid, pour order 5): 176.657,205.867 176.657,206.629 175.133,206.629 175.133,209.296 172.212,209.296 172.212,207.391 173.99,207.391 173.99,205.359 175.133,205.359 175.133,205.867
+5_7020 on Top1 "+5_7020_L01_P001" (solid, pour order 1): 88.265,172.974 91.44,172.974 91.44,158.877 72.263,158.877 72.263,163.322 73.406,163.322 88.265,163.322
NetC218_2 on Top1 "NETC218_2_L01_P002" (solid, remove dead copper, pour order 2): 67.691,165.735 67.691,164.973 67.945,164.719 72.009,164.719 72.009,158.877 67.183,158.877 67.183,165.735
AGND2 on Bottom4 "AGND2_L04_P048" (solid, remove dead copper, pour order 48): 55.88,117.729 55.88,92.329 55.753,92.202 186.182,92.202 186.182,124.079 186.309,124.206 154.051,124.206 154.114,124.269 154.242,124.269 154.178,124.206 154.178,117.729
GND on Bottom4 "GND_L04_P047" (solid, remove dead copper, pour order 47): 18 vertices, not listed, extent 22.618,92.075 186.309,196.596
AGND1 on Bottom4 "AGND1_L04_P046" (solid, remove dead copper, pour order 46): 159.512,176.403 155.321,180.594 43.18,180.594 43.18,196.596 22.352,196.596 22.352,216.408 22.479,216.535 186.055,216.535 186.182,216.662 186.182,176.403
+3V3 on PWR3 (split plane): 148 vertices, not listed, extent 23.371,92.966 66.927,196.34
+1.8V on PWR3 (split plane): 36 vertices, not listed, extent 40.261,92.966 66.927,151.128
+A5_PD on PWR3 (split plane): 153 vertices, not listed, extent 27.815,177.286 185.334,215.43
-A4_PD on PWR3 (split plane): 147 vertices, not listed, extent 27.815,203.075 175.385,209.675
AGND1 on PWR3 (split plane): 117 vertices, not listed, extent 23.371,196.598 175.385,215.43
+D2V5_PD on PWR3 (split plane): 43 vertices, not listed, extent 43.436,177.294 179.83,196.467
+A4_PD on PWR3 (split plane): 143 vertices, not listed, extent 27.815,199.9 180.211,205.103
+5V_S7500 on PWR3 (split plane): 24 vertices, not listed, extent 55.882,92.966 166.622,113.282
+D9 on PWR3 (split plane): 166.622,92.966 155.958,92.966 155.958,100.201 166.622,100.201
+A9_S7500 on PWR3 (split plane): 126 vertices, not listed, extent 154.18,92.966 185.334,124.331
-5V_S7500 on PWR3 (split plane): 17 vertices, not listed, extent 55.882,105.539 171.575,117.6
GND on PWR3 (split plane): 23 vertices, not listed, extent 55.882,117.858 175.258,160.78
+D9 on PWR3 (split plane): 25 vertices, not listed, extent 59.692,124.589 185.334,177.044
+A3V3_PD on PWR3 (split plane): 44 vertices, not listed, extent 43.436,183.898 176.02,194.816
GND on GND2 (split plane): 109 vertices, not listed, extent 22.863,92.459 185.842,196.34
GND on GND2 (split plane): 33 vertices, not listed, extent 22.863,92.459 24.659,94.254
AGND1 on GND2 (split plane): 34 vertices, not listed, extent 22.863,214.142 24.659,215.938
AGND2 on GND2 (split plane): 33 vertices, not listed, extent 184.046,92.459 185.842,94.254
AGND2 on GND2 (split plane): 90 vertices, not listed, extent 55.882,92.459 185.842,124.204
AGND1 on GND2 (split plane): 34 vertices, not listed, extent 184.046,214.142 185.842,215.938
AGND1 on GND2 (split plane): 165 vertices, not listed, extent 22.863,176.532 185.842,215.938

## Keep-outs
Keep-Out Layer:
  circle w0.013: c183.792,94.509 r1.55
  circle w0.013: c24.913,94.509 r1.55
  circle w0.013: c183.792,213.887 r1.55
  circle w0.013: c24.913,213.887 r1.55
  lines w0.013: 22.352,93.448 ccw(c23.852,93.448) 23.852,91.948 184.852,91.948 ccw(c184.852,93.448) 186.352,93.448 186.352,214.948 ccw(c184.852,214.948) 184.852,216.448 23.852,216.448 ccw(c23.852,214.948) 22.352,214.948 22.352,93.448

## Other copper
Top1:
  text "C" at 2199.943,661.841 h2.66
  text "2" at 2201.313,661.841 h2.66
  text "1" at 2202.41,661.841 h2.66
  text "5" at 2203.506,661.841 h2.66
  text "3" at 2199.943,659.374 h2.66
  text "." at 2201.039,659.374 h2.66
  text "3" at 2201.588,659.374 h2.66
  text "u" at 2202.684,659.374 h2.66
GND2 (plane layer: these items are gaps in the copper):
  lines w0.254: 22.352,196.469 43.307,196.469 43.307,181.991 149.987,181.991 154.051,181.991 159.639,176.403 186.055,176.403 ; 55.753,91.821 55.753,117.729 118.872,117.729 154.051,117.729 154.051,117.856 154.051,119.507 154.051,124.333 186.055,124.333
PWR3 (plane layer: these items are gaps in the copper):
  rectangle: 133.096,191.008 135.763,195.326
  rectangle: 137.033,183.388 143.256,189.103
  rectangle: 108.966,183.388 115.189,189.484
  rectangle: 80.772,183.134 86.868,189.357
  rectangle: 55.626,183.515 61.468,189.357
  lines w0.254: 22.733,196.469 27.686,196.469 ; 28.321,205.232 27.686,205.232 ; 43.18,92.583 43.307,92.71 43.307,106.553 50.292,106.553 ; 50.292,106.807 50.292,106.553 ; 55.753,92.329 55.753,105.41 55.753,106.807 ; 59.563,177.165 59.563,163.068 59.563,160.655 67.056,160.655 67.056,147.574 ; 67.056,151.257 46.482,151.257 46.482,133.985 46.482,131.064 40.132,131.064 40.132,116.078 40.132,114.808 40.259,114.681 50.292,114.681 50.292,106.553 ; 155.829,91.821 155.829,100.33 166.878,100.33 ; 165.608,92.71 166.751,92.71 166.751,105.41 ; 170.561,192.786 176.149,192.786 176.149,187.833 157.353,187.833 156.083,187.833 152.019,183.769 43.307,183.769 ; 171.45,177.165 173.228,177.165 185.293,177.165 ; 175.387,124.46 175.387,160.909 76.962,160.909 76.962,147.574 67.056,147.574 ; 175.514,202.946 175.514,209.804 175.26,209.804 170.942,209.804 170.688,209.804 168.783,207.899 27.686,207.899 27.686,205.232 ; 175.514,209.677 175.514,216.281 ; 185.801,124.46 175.641,124.46 154.051,124.46 154.051,117.729 ; 27.686,196.469 27.686,199.771 ; 27.686,196.469 43.307,196.469 43.307,191.008 ; 27.686,199.771 171.323,199.771 180.34,199.771 180.34,202.946 167.513,202.946 165.227,205.232 163.068,205.232 161.798,203.962 158.242,203.962 156.972,205.232 154.559,205.232 153.289,203.962 149.86,203.962 148.59,205.232 146.431,205.232 145.161,203.962 145.034,203.962 141.351,203.962 140.081,205.232 137.922,205.232 136.652,203.962 136.588,203.962 132.969,203.962 131.699,205.232 129.667,205.232 128.397,203.962 124.587,203.962 123.317,205.232 121.158,205.232 119.888,203.962 116.332,203.962 115.062,205.232 112.903,205.232 111.633,203.962 107.95,203.962 106.68,205.232 104.394,205.232 103.124,203.962 103.06,203.962 99.568,203.962 98.298,205.232 96.203,205.232 96.139,205.232 94.869,203.962 91.186,203.962 89.916,205.232 87.63,205.232 87.376,204.978 86.36,203.962 82.804,203.962 81.534,205.232 79.121,205.232 77.851,203.962 74.295,203.962 73.025,205.232 70.485,205.232 69.215,203.962 65.913,203.962 64.643,205.232 62.484,205.232 61.214,203.962 61.087,203.962 60.833,203.708 57.531,203.708 56.007,205.232 54.102,205.232 52.578,203.708 50.165,203.708 48.895,203.708 47.371,205.232 45.847,205.232 44.577,203.962 40.767,203.962 39.497,205.232 37.338,205.232 36.068,203.962 36.005,203.962 32.385,203.962 31.115,205.232 27.686,205.232 ; 27.686,199.771 27.686,205.232 ; 43.307,183.769 43.307,177.165 175.641,177.165 175.641,185.166 179.959,185.166 179.959,196.596 170.561,196.596 170.561,191.516 167.132,191.516 160.274,191.516 160.274,194.945 135.763,194.945 135.763,191.389 135.763,191.008 43.307,191.008 ; 43.307,183.769 43.307,191.008 ; 55.753,106.807 55.753,117.729 ; 55.753,106.807 121.539,106.807 121.539,113.411 154.178,113.411 154.178,105.41 166.751,105.41 ; 55.753,117.729 55.753,144.78 67.056,144.78 67.056,147.574 ; 55.753,117.729 154.051,117.729 ; 154.051,117.729 171.704,117.729 171.704,105.41 166.751,105.41

## Silkscreen, mask and mechanical layers (free items; w line width, h text height)
Top Overlay:
  drawing of 9394 lines, arcs and shapes, not listed
  text "2" at 159.638,172.212 h1.52
  text "BOOT_CFG" at 144.272,172.102 h1.52
  text "1" at 154.686,172.085 h1.52
  text "ON" at 154.051,169.943 h1.52
  text "ON" at 159.131,169.943 h1.52
  text "JTAG" at 146.301,169.816 h1.52
  text "X" at 154.559,168.021 h1.52
  text "X" at 159.893,168.021 h1.52
  text "NAND" at 146.177,167.894 h1.52
  text "QSPI" at 146.558,166.065 h1.52
  text "ON" at 154.051,166.006 h1.52
  text "OFF" at 158.877,166.006 h1.52
  text "SD_CARD" at 144.78,163.847 h1.52
  text "OFF" at 153.797,163.847 h1.52
  text "OFF" at 158.877,163.847 h1.52
  text "ZYNQ_JTY V3.0 16CHANNEL" at 160.257,133.858 h1.52 r90
  text "Designed By LHS 2024/8/25" at 162.274,133.604 h1.52 r90

## Text inside footprints (layer, text, board x,y; h text height)
232: Top Overlay "9" at 29.673,173.032 h1.14 r270; Mechanical 2 "PCB Edge" at 20.803,170.432 h1.14 r270
BOOT_CFG: Top Overlay "ON" at 147.039,145.007 h1.14 r90
GE_PS1: Top Overlay "1" at 39.703,148.658 h1.14 r90; Mechanical 13 "10" at 36.253,135.083 h1.14 r270; Mechanical 13 "2" at 36.278,144.983 h1.14 r270; Mechanical 13 "9" at 38.778,136.058 h1.14 r270; Mechanical 13 "1" at 38.853,146.108 h1.14 r270; Mechanical 13 "Y" at 28.693,135.422 h1.14 r270; Mechanical 13 "G" at 28.693,146.007 h1.14 r270
S7500: Top Overlay "→" at 132.969,98.448 h1.52
SD1: Top Overlay "Cd" at 33.589,113.424 h1.14 r180; Top Overlay "8" at 33.03,112.077 h1.14 r270; Top Overlay "7" at 33.004,110.96 h1.14 r270; Top Overlay "6" at 33.004,109.893 h1.14 r270; Top Overlay "5" at 33.004,108.826 h1.14 r270; Top Overlay "4" at 32.979,107.759 h1.14 r270; Top Overlay "3" at 32.979,106.566 h1.14 r270; Top Overlay "2" at 32.979,105.499 h1.14 r270; Top Overlay "1" at 32.954,104.407 h1.14 r270
U1: Mechanical 13 "*" at 96.609,114.122 h1.14 r270
U2: Mechanical 13 "*" at 84.72,102.34 h1.14 r270
U3: Mechanical 13 "*" at 82.41,109.576 h1.14 r90
U4: Mechanical 13 "*" at 117.056,114.122 h1.14 r270
U5: Mechanical 13 "*" at 102.857,109.449 h1.14 r90
U6: Mechanical 13 "*" at 105.167,102.34 h1.14 r270
U7: Mechanical 13 "*" at 76.162,114.122 h1.14 r270
U8: Mechanical 13 "*" at 61.963,109.271 h1.14 r90
U9: Mechanical 13 "*" at 64.258,102.383 h1.14 r270
U10: Mechanical 13 "*" at 121.641,113.514 h1.14
U11: Mechanical 13 "*" at 133.325,110.223 h1.14 r180
U12: Mechanical 13 "*" at 144.184,99.379 h1.14
U13: Mechanical 13 "*" at 139.141,113.514 h1.14
U14: Mechanical 13 "*" at 150.825,110.223 h1.14 r180
U15: Mechanical 13 "*" at 61.539,189.674 h1.14 r270
U16: Mechanical 13 "*" at 86.558,189.674 h1.14 r270
U17: Mechanical 13 "*" at 114.879,189.674 h1.14 r270
U18: Mechanical 13 "*" at 143.134,189.674 h1.14 r270
U19: Mechanical 13 "*" at 156.045,189.065 h1.14 r270
U20: Mechanical 13 "*" at 47.574,193.66 h1.14
U21: Mechanical 13 "*" at 73.99,193.685 h1.14
U22: Mechanical 13 "*" at 130.124,193.533 h1.14
U23: Mechanical 13 "*" at 102.057,193.685 h1.14
U24: Mechanical 13 "*" at 160.289,190.449 h1.14 r90
U45: Mechanical 13 "*" at 44.437,123.952 h1.14 r180
U48: Mechanical 13 "*" at 42.863,163.017 h1.14 r180
V1: Top Overlay "NC" at 180.376,175.352 h1.14 r90; Top Overlay "Ctrl" at 180.376,170.285 h1.14 r90; Top Overlay "Vin" at 180.376,167.745 h1.14 r90; Top Overlay "WRB_S-3WR2" at 183,170.211 h1.14 r90; Top Overlay "GND" at 180.376,164.938 h1.14 r90; Top Overlay "0V" at 180.376,180.577 h1.14 r90; Top Overlay "CS" at 180.376,183.043 h1.14 r90; Top Overlay "+Vo" at 180.376,177.514 h1.14 r90
V3: Top Overlay "NC" at 176.748,123.352 h1.14 r270; Top Overlay "Ctrl" at 176.748,128.419 h1.14 r270; Top Overlay "Vin" at 176.748,130.959 h1.14 r270; Top Overlay "WRB_S-3WR2" at 174.124,128.493 h1.14 r270; Top Overlay "GND" at 176.748,133.766 h1.14 r270; Top Overlay "0V" at 176.748,118.127 h1.14 r270; Top Overlay "CS" at 176.748,115.661 h1.14 r270; Top Overlay "+Vo" at 176.748,121.19 h1.14 r270
V6: Mechanical 13 "*" at 162.597,100.552 h1.14
V8: Top Overlay "5" at 161.671,107.15 h1.14 r270; Top Overlay "1" at 166.751,107.15 h1.14 r270; Top Overlay "H" at 169.24,118.491 h1.14 r180; Top Overlay "A" at 169.24,109.601 h1.14 r180; Mechanical 13 "5" at 161.671,107.15 h1.14 r270; Mechanical 13 "1" at 166.751,107.15 h1.14 r270; Mechanical 13 "H" at 169.24,118.491 h1.14 r180; Mechanical 13 "A" at 169.24,109.601 h1.14 r180